# Allegro board 6089-119-RevB_08.brd (continued)
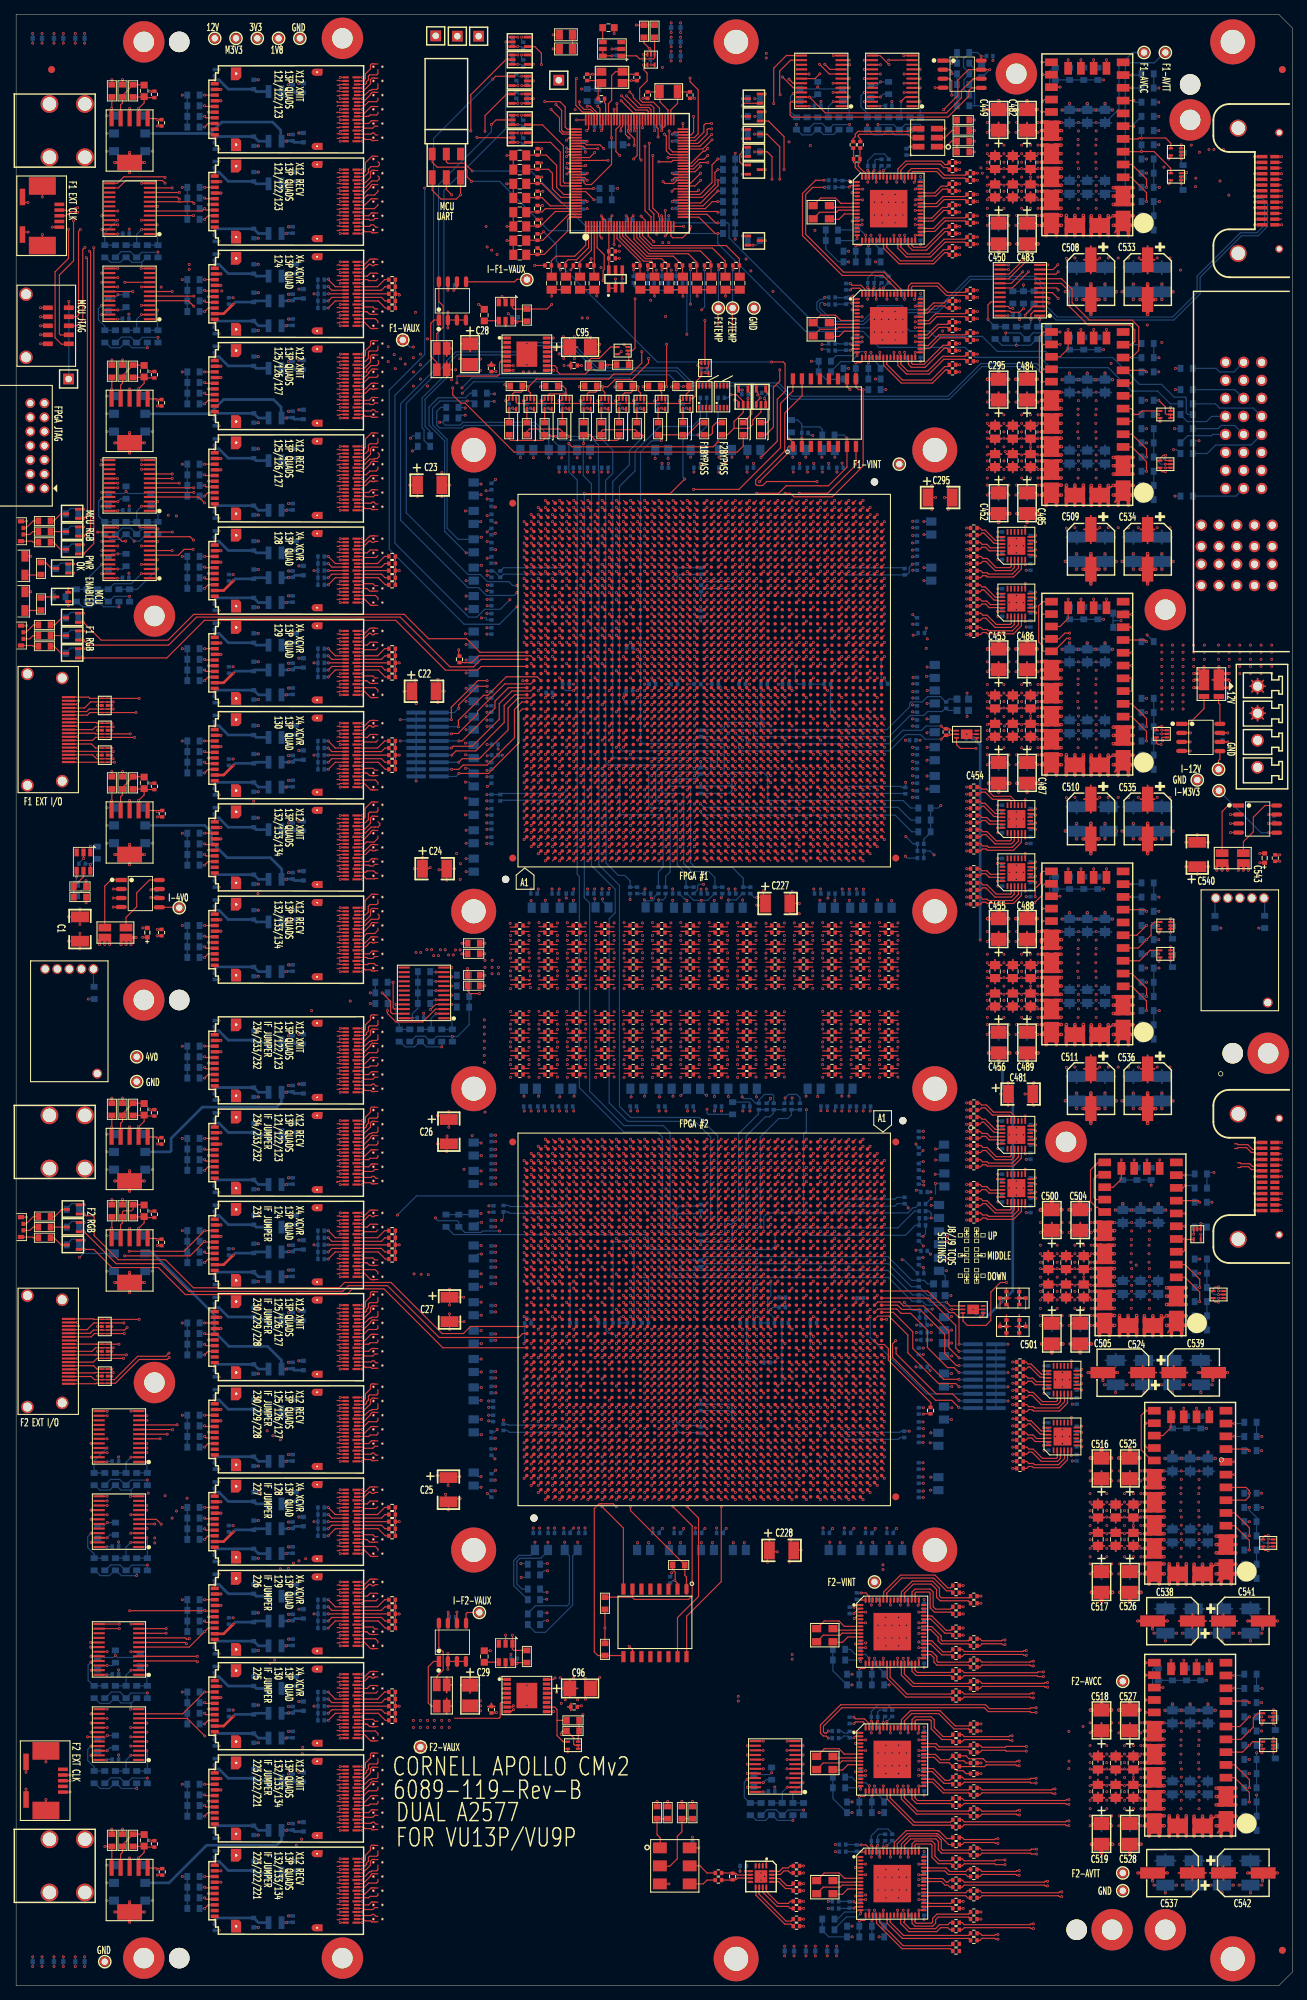
[diagram p0: board, top side]
## Nets (continued)
V_F1_INT: C22.1 C23.1 C24.1 C227.1 C295.1 C443.1 C444.1 C445.1 C446.1 C451.1 C452.1 C453.1 C454.1 C459.1 C460.1 C461.1 C462.1 C484.1 C485.1 C486.1 C487.1 C492.1 C493.1 C494.1 C495.1 C601.1 C602.1 C604.1 C605.1 C619.1 C620.1 C621.1 C622.1 C637.1 C638.1 C639.1 C640.1 C655.1 C656.1 C659.1 C660.1 C669.1 C670.1 C671.1 C672.1 C678.1 C679.1 C680.1 C681.1 C698.1 C699.1 C700.1 C701.1 C706.1 C707.1 C708.1 C709.1 C727.1 C728.1 C729.1 C781.1 C782.1 C783.1 C870.1 C871.1 C877.1 C878.1 C879.1 C880.1 C885.1 C888.1 C894.1 C895.1 C899.1 C907.1 C962.1 C964.1 C968.1 C989.1 C990.1 C991.1 C998.1 C999.1 C1001.1 C1002.1 C1004.1 C1025.1 C1026.1 C1030.1 C1031.1 C1033.1 C1034.1 C1035.1 PM18.1 R91.1 R407.1 R486.2 U75.AA15 U75.AA17 U75.AA19 U75.AA21 U75.AA23 U75.AA25 U75.AA27 U75.AA29 U75.AA31 U75.AA33 U75.AB16 U75.AB18 U75.AB20 U75.AB22 U75.AB24 U75.AB26 U75.AB28 U75.AB30 U75.AB32 U75.AC15 U75.AC17 U75.AC19 U75.AC21 U75.AC23 U75.AC25 U75.AC27 U75.AC29 U75.AC31 U75.AC33 U75.AD14 U75.AD16 U75.AD18 U75.AD20 U75.AD22 U75.AD24 U75.AD26 U75.AD28 U75.AD30 U75.AD32 U75.AE15 U75.AE17 U75.AE19 U75.AE21 U75.AE23 U75.AE25 U75.AE27 U75.AE29 U75.AE31 U75.AE33 U75.AF14 U75.AF16 U75.AF18 U75.AF20 U75.AF22 U75.AF24 U75.AF26 U75.AF28 U75.AF30 U75.AF32 U75.AG15 U75.AG17 U75.AG21 U75.AG23 U75.AG25 U75.AG27 U75.AG29 U75.AG31 U75.AG33 U75.AH14 U75.AH16 U75.AH20 U75.AH22 U75.AH24 U75.AH26 U75.AH28 U75.AH30 U75.AH32 U75.AJ15 U75.AJ17 U75.AJ21 U75.AJ23 U75.AJ25 U75.AJ27 U75.AJ29 U75.AJ31 U75.AJ33 U75.AK16 U75.AK20 U75.AK22 U75.AK24 U75.AK26 U75.AK28 U75.AK30 U75.AK32 U75.AL15 U75.AL17 U75.AL19 U75.AL21 U75.AL23 U75.AL25 U75.AL27 U75.AL29 U75.AL31 U75.AL33 U75.AM16 U75.AM18 U75.AM20 U75.AM22 U75.AM24 U75.AM26 U75.AM28 U75.AM30 U75.AM32 U75.AN15 U75.AN17 U75.AN19 U75.AN21 U75.AN23 U75.AN25 U75.AN27 U75.AN29 U75.AN31 U75.AN33 U75.AP16 U75.AP18 U75.AP20 U75.AP22 U75.AP24 U75.AP26 U75.AP28 U75.AP30 U75.AP32 U75.AR21 U75.AR23 U75.AR25 U75.AR27 U75.AR29 U75.AR31 U75.AT22 U75.AT24 U75.AT26 U75.AT28 U75.AT30 U75.AU23 U75.AU25 U75.AU27 U75.AU29 U75.U27 U75.U29 U75.U31 U75.V22 U75.V24 U75.V26 U75.V28 U75.V30 U75.W15 U75.W17 U75.W19 U75.W21 U75.W23 U75.W25 U75.W27 U75.W29 U75.W31 U75.W33 U75.Y16 U75.Y18 U75.Y20 U75.Y22 U75.Y24 U75.Y26 U75.Y28 U75.Y30 U75.Y32 U106.22 U106.23 U106.25 U106.26 U107.22 U107.23 U107.25 U107.26
V_F1_VCCAUX: C752.2 C780.2 C784.2 C789.2 C891.2 C984.2 C985.2 C996.2 PM10.1 R73.1 R88.1 U56.6 U75.AA13 U75.AA39 U75.AL13 U75.AL39 U75.AN13 U75.AN39 U75.BA13 U75.BA39 U75.BC13 U75.BC39 U75.J13 U75.J39 U75.L13 U75.L39 U75.W13 U75.W39
V_F2_AVCC: C514.1 C518.1 C522.1 C527.1 C531.1 C553.1 C560.1 C565.1 C584.1 C588.1 C595.1 C611.1 C615.1 C716.1 C725.1 C763.1 C764.1 C772.1 C773.1 C834.1 C840.1 C845.1 C856.1 C858.1 C861.1 C958.1 C960.1 C961.1 C963.1 C965.1 C969.1 C1011.1 C1012.1 C1023.1 C1024.1 C1040.1 C1048.1 PM19.1 R86.1 R464.2 U77.AB11 U77.AB41 U77.AC12 U77.AC40 U77.AD10 U77.AD42 U77.AF11 U77.AF41 U77.AH10 U77.AH42 U77.AJ12 U77.AJ40 U77.AK11 U77.AK41 U77.AM10 U77.AM42 U77.AP11 U77.AP41 U77.AR13 U77.AR39 U77.AT10 U77.AT42 U77.AU12 U77.AU40 U77.AV11 U77.AV41 U77.AW13 U77.AW39 U77.AY10 U77.AY42 U77.BB11 U77.BB41 U77.BD10 U77.BD42 U77.BE13 U77.BE39 U77.BF14 U77.BF15 U77.BF37 U77.BF38 U77.G13 U77.G17 U77.G35 U77.G39 U77.H10 U77.H42 U77.K11 U77.K41 U77.M10 U77.M42 U77.N12 U77.N40 U77.P11 U77.P41 U77.R13 U77.R39 U77.T10 U77.T42 U77.U12 U77.U40 U77.V11 U77.V41 U77.Y10 U77.Y42 U118.22 U118.23
V_F2_AVTT: C515.1 C519.1 C523.1 C528.1 C532.1 C554.1 C561.1 C566.1 C585.1 C589.1 C596.1 C612.1 C616.1 C717.1 C726.1 C761.1 C762.1 C774.1 C775.1 C804.1 C823.1 C824.1 C825.1 C833.1 C836.1 C945.1 C947.1 C949.1 C950.1 C952.1 C957.1 C988.1 C1009.1 C1010.1 C1021.1 C1039.1 C1049.1 PM20.1 R85.1 R312.1 R313.1 R428.1 R429.1 R430.1 R431.1 R467.2 R469.1 R470.1 U77.A8 U77.A12 U77.A40 U77.A44 U77.AA8 U77.AA44 U77.AB6 U77.AB13 U77.AB39 U77.AB46 U77.AC9 U77.AC43 U77.AD7 U77.AD45 U77.AE8 U77.AE44 U77.AF6 U77.AF46 U77.AG9 U77.AG43 U77.AH7 U77.AH45 U77.AJ8 U77.AJ44 U77.AK6 U77.AK13 U77.AK39 U77.AK46 U77.AL9 U77.AL43 U77.AM7 U77.AM45 U77.AN8 U77.AN44 U77.AP6 U77.AP46 U77.AR9 U77.AR43 U77.AT7 U77.AT45 U77.AU8 U77.AU44 U77.AV6 U77.AV46 U77.AW9 U77.AW43 U77.AY7 U77.AY45 U77.B11 U77.B15 U77.B37 U77.B41 U77.BA8 U77.BA44 U77.BB6 U77.BB46 U77.BC9 U77.BC43 U77.BD7 U77.BD45 U77.BE8 U77.BE11 U77.BE41 U77.BE44 U77.BF11 U77.BF41 U77.BG9 U77.BG13 U77.BG39 U77.BG43 U77.BH10 U77.BH14 U77.BH38 U77.BH42 U77.BJ8 U77.BJ12 U77.BJ40 U77.BJ44 U77.BK11 U77.BK15 U77.BK37 U77.BK41 U77.BL9 U77.BL13 U77.BL39 U77.BL43 U77.C9 U77.C13 U77.C39 U77.C43 U77.D10 U77.D14 U77.D38 U77.D42 U77.E8 U77.E13 U77.E40 U77.E44 U77.F11 U77.F15 U77.F37 U77.F41 U77.G9 U77.G11 U77.G41 U77.G43 U77.H7 U77.H45 U77.J8 U77.J44 U77.K6 U77.K46 U77.L9 U77.L43 U77.M7 U77.M45 U77.N8 U77.N44 U77.P6 U77.P46 U77.R9 U77.R43 U77.T7 U77.T45 U77.U8 U77.U44 U77.V6 U77.V46 U77.W9 U77.W43 U77.Y7 U77.Y45 U118.25 U118.26
V_F2_FF1_3V8: C5.2 C12.1 R30.1 SW4.1 U20.2(VOUT)
V_F2_FF1_XMIT: C1064.1 C1105.1 L30.1 SW4.2
V_F2_FF2_3V8: C6.2 C13.1 R31.1 SW5.1 U21.2(VOUT)
V_F2_FF2_XMIT: C1067.1 C1110.1 L37.1 SW5.2
V_F2_FF3_3V8: C7.2 C14.1 R32.1 SW6.1 U22.2(VOUT)
V_F2_FF3_XMIT: C1072.1 C1119.1 L50.1 SW6.2
V_F2_INT: C25.1 C26.1 C27.1 C228.1 C481.1 C498.1 C499.1 C500.1 C501.1 C502.1 C503.1 C504.1 C505.1 C506.1 C507.1 C512.1 C513.1 C516.1 C517.1 C520.1 C521.1 C525.1 C526.1 C529.1 C530.1 C551.1 C552.1 C558.1 C559.1 C563.1 C564.1 C573.1 C574.1 C576.1 C577.1 C582.1 C583.1 C586.1 C587.1 C590.1 C591.1 C593.1 C594.1 C609.1 C610.1 C613.1 C614.1 C625.1 C626.1 C627.1 C628.1 C643.1 C644.1 C645.1 C646.1 C647.1 C648.1 C718.1 C719.1 C720.1 C722.1 C724.1 C734.1 C737.1 C766.1 C769.1 C771.1 C876.1 C881.1 C883.1 C884.1 C886.1 C893.1 C896.1 C897.1 C900.1 C908.1 C912.1 C914.1 C917.1 C921.1 C922.1 C925.1 C986.1 C1016.1 C1017.1 C1018.1 C1022.1 C1042.1 C1043.1 C1044.1 C1045.1 C1046.1 PM17.1 R87.1 R396.1 R462.2 U77.AA15 U77.AA17 U77.AA19 U77.AA21 U77.AA23 U77.AA25 U77.AA27 U77.AA29 U77.AA31 U77.AA33 U77.AB16 U77.AB18 U77.AB20 U77.AB22 U77.AB24 U77.AB26 U77.AB28 U77.AB30 U77.AB32 U77.AC15 U77.AC17 U77.AC19 U77.AC21 U77.AC23 U77.AC25 U77.AC27 U77.AC29 U77.AC31 U77.AC33 U77.AD14 U77.AD16 U77.AD18 U77.AD20 U77.AD22 U77.AD24 U77.AD26 U77.AD28 U77.AD30 U77.AD32 U77.AE15 U77.AE17 U77.AE19 U77.AE21 U77.AE23 U77.AE25 U77.AE27 U77.AE29 U77.AE31 U77.AE33 U77.AF14 U77.AF16 U77.AF18 U77.AF20 U77.AF22 U77.AF24 U77.AF26 U77.AF28 U77.AF30 U77.AF32 U77.AG15 U77.AG17 U77.AG21 U77.AG23 U77.AG25 U77.AG27 U77.AG29 U77.AG31 U77.AG33 U77.AH14 U77.AH16 U77.AH20 U77.AH22 U77.AH24 U77.AH26 U77.AH28 U77.AH30 U77.AH32 U77.AJ15 U77.AJ17 U77.AJ21 U77.AJ23 U77.AJ25 U77.AJ27 U77.AJ29 U77.AJ31 U77.AJ33 U77.AK16 U77.AK20 U77.AK22 U77.AK24 U77.AK26 U77.AK28 U77.AK30 U77.AK32 U77.AL15 U77.AL17 U77.AL19 U77.AL21 U77.AL23 U77.AL25 U77.AL27 U77.AL29 U77.AL31 U77.AL33 U77.AM16 U77.AM18 U77.AM20 U77.AM22 U77.AM24 U77.AM26 U77.AM28 U77.AM30 U77.AM32 U77.AN15 U77.AN17 U77.AN19 U77.AN21 U77.AN23 U77.AN25 U77.AN27 U77.AN29 U77.AN31 U77.AN33 U77.AP16 U77.AP18 U77.AP20 U77.AP22 U77.AP24 U77.AP26 U77.AP28 U77.AP30 U77.AP32 U77.AR21 U77.AR23 U77.AR25 U77.AR27 U77.AR29 U77.AR31 U77.AT22 U77.AT24 U77.AT26 U77.AT28 U77.AT30 U77.AU23 U77.AU25 U77.AU27 U77.AU29 U77.U27 U77.U29 U77.U31 U77.V22 U77.V24 U77.V26 U77.V28 U77.V30 U77.W15 U77.W17 U77.W19 U77.W21 U77.W23 U77.W25 U77.W27 U77.W29 U77.W31 U77.W33 U77.Y16 U77.Y18 U77.Y20 U77.Y22 U77.Y24 U77.Y26 U77.Y28 U77.Y30 U77.Y32 U109.22 U109.23 U109.25 U109.26 U117.22 U117.23 U117.25 U117.26
V_F2_VCCAUX: C735.2 C736.2 C738.2 C739.2 C1014.2 C1015.2 C1019.2 C1020.2 PM11.1 R74.1 R104.1 U57.6 U77.AA13 U77.AA39 U77.AL13 U77.AL39 U77.AN13 U77.AN39 U77.BA13 U77.BA39 U77.BC13 U77.BC39 U77.J13 U77.J39 U77.L13 U77.L39 U77.W13 U77.W39
V_M3V3: C545.1 C548.1 C675.1 C712.1 C713.1 C714.1 C805.1 C859.1 C867.1 C868.1 C869.1 C874.1 C901.1 C902.1 C903.1 C904.1 C910.1 C915.1 C920.1 C924.1 C927.1 C928.1 C931.1 C932.1 C937.1 C942.1 C943.1 C944.1 C966.1 C967.1 C971.1 C972.1 C973.1 C974.1 C977.1 C978.1 C1050.1 C1051.1 C1217.1 C1218.1 C1219.1 C1220.1 C1221.1 C1222.1 C1223.1 C1224.1 C1225.1 C1226.1 C1232.1 C1233.1 D1.3 D5.2 J1.2 J4.1 J5.18 J6.18 J7.3 PM6.1 R81.1 R82.2 R84.2 R95.2 R105.1 R117.2 R120.2 R122.2 R123.1 R128.1 R146.1 R150.2 R151.2 R154.1 R159.1 R160.2 R161.2 R166.1 R171.1 R173.2 R174.2 R177.1 R182.1 R203.2 R204.2 R209.1 R214.1 R215.2 R216.2 R220.1 R225.1 R227.1 R232.1 R233.2 R234.2 R239.1 R244.1 R247.2 R248.2 R267.2 R269.2 R282.2 R283.2 R285.2 R286.2 R288.1 R289.2 R291.2 R293.2 R304.2 R314.2 R315.2 R318.2 R332.2 R345.2 R357.2 R366.2 R373.2 R376.2 R378.2 R379.2 R390.2 R392.2 R398.2 R406.2 R413.2 R414.2 R415.2 R416.2 R417.2 R418.2 R419.2 R420.2 R443.1 R454.2 R455.2 R457.2 R458.2 R495.2 R496.2 R538.2 R539.2 R540.2 R541.2 R542.2 R543.2 R544.2 R545.2 R546.2 R547.2 R548.2 R549.2 R550.2 R551.2 R552.2 R553.2 R554.2 R555.2 R556.2 R557.2 R558.2 R559.2 R560.2 R561.2 R562.2 R563.2 R564.2 R565.2 R566.2 R567.2 R568.2 R569.2 R570.2 R571.2 R572.2 R573.2 R574.2 R575.2 R576.2 R577.2 R578.2 R579.2 R580.2 R581.2 R582.2 R583.2 R584.2 R585.2 R586.2 R587.2 R588.2 R589.2 R590.2 R591.2 R592.2 R593.2 R594.2 R595.2 R596.2 R597.2 R598.2 R599.2 R600.2 R601.2 R602.2 R603.2 R604.2 R605.2 R606.2 R607.2 R608.2 R609.2 R610.2 R611.2 R612.2 R613.2 R614.2 R615.2 R616.2 R617.2 R618.2 R619.2 R620.2 R621.2 R625.2 R626.2 R627.2 R628.2 R629.2 R630.2 R631.2 R632.2 R637.2 R639.2 R641.2 R643.2 R644.2 R645.2 R646.2 R647.2 R649.2 R650.2 R651.2 R653.2 R655.2 R657.2 R659.2 R660.2 R661.2 R662.2 R666.2 R667.2 R668.2 R669.2 R671.2 R672.2 R673.2 R674.2 R680.2 U2.6(VDD) U9.24(VCC) U10.24(VCC) U11.24(VCC) U12.24(VCC) U14.24(VCC) U15.24(VCC) U17.24(VCC) U18.24(VCC) U23.6(VCC) U45.6(VCC) U46.6(VCC) U47.6(VDD) U48.6(VDD) U50.5(VCCB) U51.5(VCCB) U52.1 U53.1 U54.5(VCCB) U55.5(VCCB) U61.5 U64.5 U64.6(VDD) U65.4 U66.5 U68.7 U68.8 U68.16 U68.26 U68.28 U68.39 U68.47 U68.63 U68.68 U68.69 U68.79 U68.90 U68.101 U68.113 U68.122 U70.5 U80.5(VCCB) U81.5(VCCB) U83.24(VCC) U84.24(VCC) U88.24(VCC) U93.8 U94.4 U95.4 U102.24(VCC) U110.5 U111.5 U112.5 U113.5 U114.5 U115.5 U116.5 U119.5 U120.6(VCC) U121.5 U123.6(VCC) U124.5 U125.5 U126.5
XOSC0: C156.1 U68.66 X2.2
XOSC1: C136.1 U68.67 X2.1
N7269408: R527.2 U39.B12
N7269410: R526.2 U39.B11
N7269412: R525.2 U39.B10
N7269414: R524.2 U39.B9
N7269416: R523.2 U39.B8
N7269418: R62.2 U39.A12
N7269420: R61.2 U39.A11
N7269422: R60.2 U39.A10
N7269424: R59.2 U39.A9
N7269426: R58.2 U39.A8
N7416787: R424.2 U75.AB40
N7431932: R407.2 R410.2 U75.AC13
N7432046: R441.2 U75.P14
N7432084: R446.2 R449.2 U75.M14
N7432164: Q15.3(S) R438.1 U75.V14
N7432236: R433.2 R434.2 U75.Y14
N7432312: R421.2 R423.2 U75.AB14
N7433493: R367.2 U75.AM14 U85.7
N7433497: R383.2 U75.AP14 U85.1
N7433501: R329.2 U75.AT14 U85.9
N7433549: U75.AY14 U85.15
N7433553: U75.AV14 U85.8
N7433601: U75.AD13 U85.16
N7434099: Q14.3(S) R297.2 U75.AK14
N7503296: R296.2 U75.T14
N7505902: R396.2 R399.2 U77.AC13
N7506206: R113.2 U72.7 U77.AM14
N7506210: R126.2 U72.1 U77.AP14
N7506214: R114.2 U72.9 U77.AT14
N7506288: U72.15 U77.AY14
N7506296: R301.2 U77.P14
N7506304: U72.8 U77.AV14
N7506346: R302.2 R303.2 U77.M14
N7506428: U72.16 U77.AD13
N7506492: Q16.3(S) R300.1 U77.V14
N7506600: R380.2 R384.2 U77.Y14
N7506822: R387.2 R391.2 U77.AB14
N7507208: Q17.3(S) R412.2 U77.AK14
N7550815: R483.2 U77.T14
N7774117: R115.1 U67.4(Y)
N7774145: U49.1 U58.1 U59.1 U60.1 U62.1 U63.1 U67.1 U69.1 U73.1 U74.1 U78.4(Y)
N7774339: R119.1 U69.4(Y)
N7775449: R108.1 U63.4(Y)
N7775531: R103.1 U62.4(Y)
N7781104: R83.1 U58.4(Y)
N7781202: R80.1 U49.4(Y)
N7781480: R97.1 U60.4(Y)
N7781570: R93.1 U59.4(Y)
N7785178: R124.1 U73.4(Y)
N7785276: R129.1 U74.4(Y)
N7873135: C882.2 R134.2 U80.2 U81.2
N7875048: R137.1 U80.4
N7875062: R138.1 U81.4
N7922601: R263.1 U107.16 U107.19(VTRIM_2)
N7927125: R255.1 U107.15
N7927299: R251.1 U107.14
N7927470: R226.1 U107.9
N7930999: R217.1 U106.9
N7931071: R250.1 U106.14
N7931075: R262.1 U106.16 U106.19(VTRIM_2)
N7931121: R254.1 U106.15
N7932656: U106.7 U107.7
N7932668: U106.8 U107.8
N8124132: R235.1 U108.9
N8124142: R252.1 U108.14
N8124144: R264.1 U108.16
N8124154: R256.1 U108.15
N8133874: R266.1 U108.19(VTRIM_2)
N9069787: R643.1 U17.18 U18.22
N9069799: R661.1 U17.17 U18.23
N9079797: R639.1 U14.20 U15.22
N9079819: R659.1 U14.19 U15.23
N9085638: C154.1 R125.2 U68.14
N9085714: C155.1 R127.2 U68.15
N9085979: C135.1 R118.2 U68.12
N9086055: C137.1 R121.2 U68.13
N9089056: C41.1 R92.2 U68.128
N9089132: C40.1 R91.2 U68.127
N9089208: C39.1 R90.2 U68.126
N9089284: C38.1 R89.2 U68.125
N9089360: C37.1 R88.2 U68.124
N9089436: C36.1 R87.2 U68.123
N9090009: C35.1 R86.2 U68.121
N9090085: C34.1 R85.2 U68.120
N9090161: C98.1 R104.2 U68.4
N9090237: C94.1 R102.2 U68.3
N9090313: C75.1 R96.2 U68.2
N9090389: C74.1 R94.2 U68.1
N9091494: R315.1 U84.18 U88.22
N9091498: R332.1 U84.17 U88.23
N9091502: R392.1 U83.22 U84.20
N9091508: R406.1 U83.23 U84.19
N9281788: R445.2 U77.AR20
N9328942: R305.1 R306.2 U75.AH19
N9329074: R307.2 U75.AJ18
N9329322: C715.1 C890.1 L1.2 U75.AG19
N9329407: C715.2 C890.2 L2.2 U75.AG18 U75.AH18 U75.AJ19
N9543401: R286.1 R287.2 U102.21
N9543477: R282.1 R284.2 U102.2
N9543553: R267.1 R268.2 U102.1
N9544090: R376.1 R381.2 U84.21
N9544166: R366.1 R374.2 U84.2
N9544242: R345.1 R359.2 U84.1
N9547158: R378.1 R382.2 U83.3
N9547234: R390.1 R393.2 U83.2
N9547310: R398.1 R408.2 U83.21
N9547925: R314.1 R316.2 U88.3
N9548001: R304.1 R309.2 U88.2
N9548077: R318.1 R335.2 U88.21
N9548614: R493.1 R494.2 U44.21
N9548690: R485.1 R492.2 U44.2
N9548766: R482.1 R484.2 U44.1
N9549273: R649.1 R663.2 U14.21
N9549349: R630.1 R638.2 U14.2
N9549425: R618.1 R622.2 U14.1
N9549980: R651.1 R665.2 U17.21
N9550056: R632.1 R642.2 U17.2
N9550132: R620.1 R624.2 U17.1
N9550687: R637.1 R648.2 U18.3
N9550763: R662.1 R670.2 U18.2
N9550839: R680.1 R681.2 U18.21
N9551394: R619.1 R623.2 U15.3
N9551470: R631.1 R640.2 U15.2
N9551546: R650.1 R664.2 U15.21
N9927204: R122.1 U64.1 U70.1
N12333393: R236.1 U108.7
N13337343: C173.1 R130.2 U68.18
N13337502: C174.1 R132.2 U68.19
N13337662: C193.1 R133.2 U68.20
N13337823: C194.1 R136.2 U68.21
N13727369: C115.1 U64.4
N13828637: Q5.3(S) R5.1
N13828747: Q4.3(S) R4.1
N13828857: Q3.3(S) R3.1
N13829314: Q8.3(S) R8.1
N13829424: Q7.3(S) R7.1
N13829534: Q6.3(S) R6.1
N13830015: Q11.3(S) R11.1
N13830125: Q10.3(S) R10.1
N13830235: Q9.3(S) R9.1
N13855428: D1.4(RED) R5.2
N13855430: D1.2 R4.2
N13855432: D1.1 R3.2
N13855604: D2.4(RED) R8.2
N13855606: D2.2 R7.2
N13855608: D2.1 R6.2
N13855686: D3.4(RED) R11.2
N13855688: D3.2 R10.2
N13855690: D3.1 R9.2
N13910342: R230.1 U107.3
N13910346: R229.1 U107.4
N13914390: R223.1 U106.3
N13914416: R222.1 U106.4
N13914806: R242.1 U108.3
N13914832: R241.1 U108.4
N14558092: P1.4 R191.1
N14558100: P1.5 R187.1
N14558108: P1.20 R190.1
N14558116: P1.21 R188.1
N15819212: C767.1 C892.1 L4.2 U77.AG19
N15819268: C767.2 C892.2 L3.2 U77.AG18 U77.AH18 U77.AJ19
N15819368: R298.1 R299.2 U77.AH19
N15819380: R308.2 U77.AJ18
N15937677: C296.1 U75.AK19 U94.1
N15937681: C296.2 U75.AK18 U94.2
N15955233: R311.2 U75.BE42
N15956486: R471.2 U75.G42
N15957727: R425.2 U75.AK40
N15962540: R427.2 U75.AK12
N15962838: R472.2 U75.G10
N15963136: R310.2 U75.BE10
N15963442: R426.2 U75.AB12
N15987882: R212.1 U105.3
N15988054: R211.1 U105.4
N15988666: R206.1 U105.7
N15988764: R205.1 U105.9
N15988914: R249.1 U105.14
N15988918: R261.1 U105.16
N15989022: R253.1 U105.15
N15989026: R265.1 U105.19(VTRIM_2)
N16010092: R431.2 U77.AK40
N16010100: R428.2 U77.AK12
N16011178: R313.2 U77.G42
N16011186: R312.2 U77.G10
N16012206: R470.2 U77.BE42
N16012214: R469.2 U77.BE10
N16013234: R430.2 U77.AB40
N16013242: R429.2 U77.AB12
N16018066: C28.1 C32.1 R73.2 U47.5 U56.3 U56.4 U56.5(VOUT#5)
N16073437: R98.2 R99.1
N16073441: R99.2 R118.1 R447.1
N16073676: R121.1 R443.2 R444.1
N16253461: R125.1 R439.2 R440.1
N16486817: R169.1 U118.3
N16486989: R168.1 U118.4
N16487613: R163.1 U118.7
N16487671: R162.1 U118.9
N16487743: R184.1 U118.14
N16487747: R200.1 U118.16
N16487811: R194.1 U118.15
N16487815: R201.1 U118.19(VTRIM_2)
N16487961: C29.1 C33.1 R74.2 U48.5 U57.3 U57.4 U57.5(VOUT#5)
N16510239: R157.1 U117.3
N16510407: R156.1 U117.4
N16510857: U109.8 U117.8
N16510907: U109.7 U117.7
N16510987: R152.1 U117.9
N16511071: R183.1 U117.14
N16511075: R199.1 U117.16 U117.19(VTRIM_2)
N16511121: R193.1 U117.15
N16512069: R180.1 U109.3
N16512233: R179.1 U109.4
N16512753: R175.1 U109.9
N16512825: R202.1 U109.14
N16512829: R246.1 U109.16 U109.19(VTRIM_2)
N16512881: R245.1 U109.15
N16811923: R522.2 U36.B12
N16811938: R521.2 U36.B11
N16811953: R520.2 U36.B10
N16811968: R519.2 U36.B9
N16811983: R518.2 U36.B8
N16811998: R57.2 U36.A12
N16812013: R56.2 U36.A11
N16812028: R55.2 U36.A10
N16812043: R54.2 U36.A9
N16812058: R53.2 U36.A8
N16814977: R532.2 U40.B12
N16814992: R531.2 U40.B11
N16815007: R530.2 U40.B10
N16815022: R529.2 U40.B9
N16815037: R528.2 U40.B8
N16815052: R67.2 U40.A12
N16815067: R66.2 U40.A11
N16815082: R65.2 U40.A10
N16815097: R64.2 U40.A9
N16815112: R63.2 U40.A8
N16844266: R537.2 U41.B12
N16844281: R536.2 U41.B11
N16844296: R535.2 U41.B10
N16844311: R534.2 U41.B9
N16844326: R533.2 U41.B8
N16844341: R72.2 U41.A12
N16844356: R71.2 U41.A11
N16844371: R70.2 U41.A10
N16844386: R69.2 U41.A9
N16844401: R68.2 U41.A8
N16904665: R666.1 R676.2 U9.21
N16904735: R644.1 R652.2 U9.2
N16904825: R625.1 R633.2 U9.1
N16904855: R671.1 U9.19 U10.23
N16904857: R653.1 U9.20 U10.22
N16905003: R626.1 R634.2 U10.3
N16905053: R645.1 R654.2 U10.2
N16905126: R667.1 R677.2 U10.21
N16905335: R668.1 R678.2 U11.21
N16905409: R646.1 R656.2 U11.2
N16905483: R627.1 R635.2 U11.1
N16905487: R673.1 U11.17 U12.23
N16905489: R657.1 U11.18 U12.22
N16905629: R628.1 R636.2 U12.3
N16905702: R647.1 R658.2 U12.2
N16905747: R669.1 R679.2 U12.21
N16967427: C1125.1 C1173.1 L9.2 U26.1
N16967445: C1127.1 C1175.1 L11.2 U26.10
N16967472: C1126.1 C1174.1 L10.2 U26.9
N16967493: R502.2 U26.B12
N16967496: R501.2 U26.B11
N16967499: R500.2 U26.B10
N16967502: R499.2 U26.B9
N16967505: R498.2 U26.B8
N16967508: R37.2 U26.A12
N16967511: R36.2 U26.A11
N16967514: R35.2 U26.A10
N16967517: R34.2 U26.A9
N16967520: R33.2 U26.A8
N16968645: R507.2 U29.B12
N16968646: R506.2 U29.B11
N16968647: R505.2 U29.B10
N16968648: R504.2 U29.B9
N16968649: R503.2 U29.B8
N16968650: R42.2 U29.A12
N16968651: R41.2 U29.A11
N16968652: R40.2 U29.A10
N16968653: R39.2 U29.A9
N16968654: R38.2 U29.A8
N16969791: R512.2 U30.B12
N16969794: R511.2 U30.B11
N16969797: R510.2 U30.B10
N16969800: R509.2 U30.B9
N16969803: R508.2 U30.B8
N16969806: R47.2 U30.A12
N16969809: R46.2 U30.A11
N16969812: R45.2 U30.A10
N16969815: R44.2 U30.A9
N16969818: R43.2 U30.A8
N16970905: R517.2 U31.B12
N16970908: R516.2 U31.B11
N16970911: R515.2 U31.B10
N16970914: R514.2 U31.B9
N16970917: R513.2 U31.B8
N16970920: R52.2 U31.A12
N16970923: R51.2 U31.A11
N16970926: R50.2 U31.A10
N16970929: R49.2 U31.A9
N16970932: R48.2 U31.A8
N17281747: C97.1 R107.1 X1.3
N17534091: R397.2 U75.AR20
N17747532: P1.9 R192.1
N17747535: P1.12 R189.1
N17747538: P1.14 R186.1
N17747541: P1.16 R185.1
N17808152: C31.1 U48.4
N17810200: C30.1 U47.4
N17817320: R145.S2 U120.8
N17817333: R145.S1 U120.1
N17820026: R73.S2 U45.8
N17820031: R73.S1 U45.1
N17821880: R74.S2 U46.8
N17821885: R74.S1 U46.1
N17913787: Q1.3(S) R1.1
N17913791: D4.1(CATHODE) R1.2
N17914174: Q2.3(S) R2.1
N17914178: D5.1(CATHODE) R2.2
N18303244: C1121.1 C1169.1 L5.2 U24.1
N18303338: C1122.1 C1170.1 L6.2 U24.10
N18307677: C1123.1 C1171.1 L7.2 U25.1
N18307758: C1124.1 C1172.1 L8.2 U25.10
N18389223: C543.1 C544.1 R146.2 U122.4(VOUT)
N18389242: R149.2 U122.5
N18389247: R172.2 U122.1
N18389249: R146.S2 U123.8
N18389250: R146.S1 U123.1
N18444707: R20.S2 U23.8
N18444732: R20.S1 U23.1
N18444836: C8.1 C17.1 R13.2 R20.2 U1.4(VOUT)
N18444893: R675.2 U1.5
N18451315: R127.1 R435.2 R436.1
N18454186: R12.2 R13.1 U2.5
N18676964: C4.1 R23.1 R29.2 U19.4
N18680159: C3.1 R22.1 R28.2 U16.4
N18680729: C2.1 R21.1 R27.2 U13.4
N18682561: C5.1 R24.1 R30.2 U20.4
N18682763: C6.1 R25.1 R31.2 U21.4
N18682965: C7.1 R26.1 R32.2 U22.4
N18723259: U89.7 X5.2
N18723260: U89.10 X5.4
N18887373: R339.2 R340.1 U89.17
N18887411: R319.2 R320.1 U89.19
N18922453: U90.7 X6.2
N18922454: U90.10 X6.4
N18922539: R341.2 R342.1 U90.17
N18922545: R321.2 R322.1 U90.19
N18923791: U91.7 X7.2
N18923792: U91.10 X7.4
N18923877: R343.2 R344.1 U91.17
N18923883: R323.2 R324.1 U91.19
N19118039: J4.2 TP1.1
N19215471: C768.1 U77.AK19 U95.1
N19215496: C768.2 U77.AK18 U95.2
N19421483: C1128.1 C1176.1 L12.2 U27.1
N19421577: C1129.1 C1177.1 L13.2 U27.10
N19422195: C1141.1 C1189.1 L25.2 U32.1
N19422289: C1142.1 C1190.1 L26.2 U32.10
N19422896: C1145.1 C1193.1 L29.2 U34.1
N19422990: C1146.1 C1194.1 L30.2 U34.10
N19423601: C1152.1 C1200.1 L36.2 U37.1
N19423695: C1153.1 C1201.1 L37.2 U37.10
N19424304: C1165.1 C1213.1 L49.2 U42.1
N19424398: C1166.1 C1214.1 L50.2 U42.10
N19424972: C1130.1 C1178.1 L14.2 U28.1
N19425053: C1131.1 C1179.1 L15.2 U28.10
N19425579: C1143.1 C1191.1 L27.2 U33.1
N19425660: C1144.1 C1192.1 L28.2 U33.10
N19426192: C1147.1 C1195.1 L31.2 U35.1
N19426273: C1148.1 C1196.1 L32.2 U35.10
N19426822: C1154.1 C1202.1 L38.2 U38.1
N19426903: C1155.1 C1203.1 L39.2 U38.10
N19427434: C1167.1 C1215.1 L51.2 U43.1
N19427515: C1168.1 C1216.1 L52.2 U43.10
N19432697: C1132.1 C1180.1 L16.2 U29.1
N19432778: C1134.1 C1182.1 L18.2 U29.10
N19432841: C1133.1 C1181.1 L17.2 U29.9
N19433423: C1135.1 C1183.1 L19.2 U30.1
N19433504: C1137.1 C1185.1 L21.2 U30.10
N19433567: C1136.1 C1184.1 L20.2 U30.9
N19434150: C1138.1 C1186.1 L22.2 U31.1
N19434231: C1140.1 C1188.1 L24.2 U31.10
N19434294: C1139.1 C1187.1 L23.2 U31.9
N19434874: C1149.1 C1197.1 L33.2 U36.1
N19434955: C1151.1 C1199.1 L35.2 U36.10
N19435018: C1150.1 C1198.1 L34.2 U36.9
N19435600: C1156.1 C1204.1 L40.2 U39.1
N19435681: C1158.1 C1206.1 L42.2 U39.10
N19435744: C1157.1 C1205.1 L41.2 U39.9
N19436328: C1159.1 C1207.1 L43.2 U40.1
N19436409: C1161.1 C1209.1 L45.2 U40.10
N19436472: C1160.1 C1208.1 L44.2 U40.9
N19437051: C1162.1 C1210.1 L46.2 U41.1
N19437132: C1164.1 C1212.1 L48.2 U41.10
N19437195: C1163.1 C1211.1 L47.2 U41.9
N19810018: R456.2 U77.AV28
N19811960: R386.2 U77.T35
N19812776: R377.2 U75.AV28
N19814828: R442.2 U75.T35
N19816939: R317.2 U75.BL29
N19817532: R468.2 U77.BL29
N19817837: R411.2 U75.AR15(VREF_66)
N19817988: R448.2 U77.AR15(VREF_66)
N19818851: R394.2 U77.U21
N19818986: R400.2 U77.V21
N19819505: R437.2 U75.U21
N19819631: R432.2 U75.V21
N19850586: R385.2 U75.AT15
N19850732: R453.2 U77.AT15
N20924230: R111.2 R112.2 U71.1
N20924377: R109.2 R110.2 U71.2
N20926107: U86.7 X3.2
N20926109: U86.10 X3.4
N20926735: U87.7 X4.2
N20926756: U87.10 X4.4
N20932170: R346.2 R347.1 U86.17
N20932208: R325.2 R326.1 U86.19
N20973779: R348.2 R349.1 U87.17
N20973817: R327.2 R328.1 U87.19
N21082310: R143.2 R144.2 U92.1
N21082363: R141.2 R142.2 U92.2
N21248818: R75.1 U75.B29
N21249011: R140.1 U77.B29
N21280069: R370.2 U75.BD21
N21280113: R460.2 U75.L30
N21280155: R422.2 U75.W32
N21280269: R459.2 U77.BD21
N21280313: R375.2 U77.L30
N21280357: R409.2 U77.W32
N21339021: R388.2 U77.U24
N21339091: R389.2 U77.U25
N21339158: R451.2 U75.U25
N21339226: R452.2 U75.U24
N21339296: R461.2 U75.D24
N21339365: R450.2 U75.T31
N21339436: R395.2 U77.T31
N21339504: R336.2 U77.D24
N21429495: R293.1 R294.2 U93.3
N21429547: R291.1 R292.2 U93.2
N21429593: R289.1 R290.2 U93.1
N21827883: TP4.1 U68.110
N21827890: TP5.1 U68.109
N184541773: C1229.2 U2.4

Pads without a net: BR1 1 2 3 4; BR2 1 2 3 4; BR3 1 2 3 4; BR4 1 2; BR5 1 2; BR6 1 2; BR7 1 2; BR8 1 2; BR9 1 2; C347 2; C348 2; H1 1; H2 1; H3 1; H4 1; H5 1; H6 1; H7 1; H8 1; J1 12 14; J2 1 4; J3 1 4; J7 6; NOREF#7 1; NOREF#9 1; NOREF#11 1; NOREF#12 1; NOREF#13 1; NOREF#14 1; P1 24; P2 G1 G2 G3 G4; P3 15 16 17 18 G1 G2 G3 G4; SP1 1 2; SP2 1 2; U1 6; U2 3; U9 15 16 17 18; U10 1 10 11 19 20; U11 15 16 19 20; U12 1 20; U14 15 16 17 18; U15 1 10 11 19 20; U17 15 16 19 20; U18 1 20; U24 9 G1 G2; U25 9 G1 G2; U26 G1 G2; U27 9 G1 G2; U28 9 G1 G2; U29 G1 G2; U30 G1 G2; U31 G1 G2; U32 9 G1 G2; U33 9 G1 G2; U34 9 G1 G2; U35 9 G1 G2; U36 G1 G2; U37 9 G1 G2; U38 9 G1 G2; U39 G1 G2; U40 G1 G2; U41 G1 G2; U42 9 G1 G2; U43 9 G1 G2; U44 13 14 15 16 17 18 19 20; U47 3; U48 3; U56 2 11 15; U57 2 11 15; U64 3; U65 3 5; U68 65; U72 3 4 5 6 11 12 13 14; U75 A27 AC10 AC11 AC41 AC42 AE10 AE11 AE41 AE42 AG10 AG11 AG41 AG42 AJ10 AJ11 AJ41 AJ42 AN10 AN11 AN41 AN42 AP12 AP13 AP39 AP40 AR10 AR11 AR18 AR32 AR33 AR34 AR35 AR36 AR37 AT12 AT13 AT18 AT19 AT20 AT32 AT33 AT34 AT35 AT37 AU10 AU11 AU15 AU17 AU19 AU20 AU21 AU22 AU32 AU34 AU35 AU36 AU37 AU41 AU42 AV3 AV4 AV8 AV9 AV12 AV13 AV16 AV17 AV18 AV19 AV21 AV22 AV23 AV24 AV26 AV27 AV32 AV33 AV34 AV36 AV37 AV39 AV40 AW1 AW2 AW6 AW7 AW15 AW16 AW18 AW19 AW20 AW21 AW23 AW24 AW25 AW26 AW28 AW30 AW33 AW34 AW35 AW36 AY3 AY4 AY8 AY9 AY15 AY16 AY17 AY18 AY20 AY21 AY22 AY23 AY25 AY26 AY27 AY28 AY32 AY33 AY35 AY36 AY37 B22 B27 B30 BA1 BA2 BA6 BA7 BA10 BA11 BA15 BA17 BA18 BA19 BA20 BA22 BA23 BA24 BA25 BA27 BA32 BA33 BA34 BA35 BA37 BA41 BA42 BB12 BB13 BB15 BB17 BB19 BB20 BB21 BB22 BB24 BB25 BB26 BB27 BB29 BB30 BB31 BB32 BB34 BB35 BB36 BB37 BB39 BB40 BC17 BC18 BC19 BC21 BC22 BC23 BC24 BC26 BC27 BC28 BC29 BC31 BC32 BC33 BC34 BC36 BC37 BD15 BD16 BD17 BD18 BD19 BD20 BD23 BD24 BD25 BD26 BD29 BD30 BD31 BD33 BD34 BD35 BD36 BD37 BE20 BE21 BE22 BE23 BE25 BE26 BE27 BE30 BE31 BE32 BF22 BF23 BF24 BF25 BF27 BF28 BF30 BF34 BF35 BF39 BF40 BG22 BG24 BG25 BH22 BH23 BH24 BH26 BH27 BH28 BJ23 BJ24 BJ25 BJ28 BJ29 BJ30 BK22 BK23 BK25 BK27 BK28 BK30 BL22 BL23 BL24 BL25 BL27 BL28 BL30 C22 C23 C24 C27 C28 D12 D13 D17 D18 D23 D25 D26 D34 D35 D39 D40 E14 E15 E19 E20 E22 E23 E25 E26 E27 E28 E32 E33 E37 E38 F12 F13 F17 F18 F22 F23 F24 F25 F27 F28 F29 F30 F34 F35 F39 F40 G14 G15 G19 G20 G22 G24 G25 G26 G27 G29 G30 G32 G33 G37 G38 H12 H13 H22 H23 H24 H26 H27 H28 H29 H30 H39 H40 J10 J11 J15 J16 J18 J19 J20 J21 J23 J24 J25 J26 J28 J29 J30 J31 J33 J34 J35 J36 J41 J42 K12 K13 K15 K16 K17 K18 K20 K21 K22 K23 K25 K26 K27 K28 K30 K31 K32 K33 K35 K36 K37 K39 K40 K43 K44 K48 K49 L10 L11 L15 L17 L18 L19 L20 L22 L23 L24 L25 L27 L32 L34 L37 L41 L42 L45 L46 L50 L51 M15 M16 M17 M19 M20 M21 M22 M24 M25 M26 M27 M29 M30 M31 M34 M35 M37 M43 M44 M48 M49 N16 N17 N21 N22 N23 N24 N26 N27 N28 N29 N31 N33 N34 N36 N37 N45 N46 N50 N51 P12 P13 P15 P16 P18 P19 P20 P21 P23 P24 P25 P26 P28 P29 P30 P31 P35 P36 P39 P40 R10 R11 R15 R16 R20 R21 R22 R23 R25 R26 R27 R28 R30 R31 R32 R33 R35 R36 R37 R41 R42 T15 T17 T18 T19 T20 T22 T23 T24 T25 T27 T28 T29 T30 T32 T33 T34 T37 T39 T40 U15 U16 U17 U19 U20 U22 U23 U26 U32 U34 U35 U36 U37 U41 U42 V12 V13 V15 V16 V17 V18 V19 V32 V33 V34 V35 V37 V39 V40 W16; U76 1 2 3 4 5 6 7 8; U77 A27 A28 A29 A30 AC10 AC11 AC41 AC42 AE10 AE11 AE41 AE42 AG10 AG11 AG41 AG42 AJ10 AJ11 AJ41 AJ42 AN10 AN11 AN41 AN42 AP12 AP13 AP39 AP40 AR18 AR32 AR33 AR34 AR35 AR36 AR37 AT18 AT19 AT20 AT32 AT33 AT34 AT35 AT37 AU10 AU11 AU15 AU17 AU19 AU20 AU21 AU22 AU32 AU34 AU35 AU36 AU37 AU41 AU42 AV12 AV13 AV16 AV17 AV18 AV19 AV21 AV22 AV23 AV24 AV26 AV27 AV32 AV33 AV34 AV36 AV37 AV39 AV40 AW15 AW16 AW18 AW19 AW20 AW21 AW23 AW24 AW25 AW26 AW28 AW30 AW33 AW34 AW35 AW36 AY15 AY16 AY17 AY18 AY20 AY21 AY22 AY23 AY25 AY26 AY27 AY28 AY32 AY33 AY35 AY36 AY37 B22 B27 B30 BA10 BA11 BA15 BA17 BA18 BA19 BA20 BA22 BA23 BA24 BA25 BA27 BA32 BA33 BA34 BA35 BA37 BA41 BA42 BB12 BB13 BB15 BB17 BB19 BB20 BB21 BB22 BB24 BB25 BB26 BB27 BB29 BB30 BB31 BB32 BB34 BB35 BB36 BB37 BB39 BB40 BC17 BC18 BC19 BC21 BC22 BC23 BC24 BC26 BC27 BC28 BC29 BC31 BC32 BC33 BC34 BC36 BC37 BC41 BC42 BD15 BD16 BD17 BD18 BD19 BD20 BD23 BD24 BD25 BD26 BD29 BD30 BD31 BD33 BD34 BD35 BD36 BD37 BE20 BE21 BE22 BE23 BE25 BE26 BE27 BE30 BE31 BE32 BF22 BF23 BF24 BF25 BF27 BF28 BF30 BF34 BF35 BF39 BF40 BG22 BG24 BG25 BH22 BH23 BH24 BH26 BH27 BH28 BJ14 BJ15 BJ19 BJ20 BJ23 BJ24 BJ25 BJ26 BJ28 BJ29 BJ30 BJ32 BJ33 BJ37 BJ38 BK22 BK23 BK25 BK26 BK27 BK28 BK30 BL22 BL23 BL24 BL25 C22 C23 C24 C27 C28 D12 D13 D17 D18 D23 D25 D26 D34 D35 D39 D40 E14 E15 E19 E20 E22 E23 E25 E26 E27 E28 E32 E33 E37 E38 F12 F13 F17 F18 F22 F23 F24 F25 F27 F28 F29 F30 F34 F35 F39 F40 G14 G15 G19 G20 G22 G24 G25 G26 G27 G29 G30 G32 G33 G37 G38 H12 H13 H22 H23 H24 H26 H27 H28 H29 H30 H39 H40 J10 J11 J15 J16 J18 J19 J20 J21 J23 J24 J25 J26 J28 J29 J30 J31 J33 J34 J35 J36 J41 J42 K3 K4 K8 K9 K12 K13 K15 K16 K17 K18 K20 K21 K22 K23 K25 K26 K27 K28 K30 K31 K32 K33 K35 K36 K37 K39 K40 K43 K44 K48 K49 L1 L2 L6 L7 L10 L11 L15 L17 L18 L19 L20 L22 L23 L24 L25 L27 L32 L34 L37 L41 L42 L45 L46 L50 L51 M3 M4 M8 M9 M15 M16 M17 M19 M20 M21 M22 M24 M25 M26 M27 M29 M30 M31 M34 M35 M37 M43 M44 M48 M49 N1 N2 N6 N7 N16 N17 N21 N22 N23 N24 N26 N27 N28 N29 N31 N33 N34 N36 N37 N45 N46 N50 N51 P12 P13 P15 P16 P18 P19 P20 P21 P23 P24 P25 P26 P28 P29 P30 P31 P35 P36 P39 P40 R10 R11 R15 R16 R20 R21 R22 R23 R25 R26 R27 R28 R30 R31 R32 R33 R35 R36 R37 R41 R42 T12 T13 T15 T17 T18 T19 T20 T22 T23 T24 T25 T27 T28 T29 T30 T32 T33 T34 T37 T39 T40 U10 U11 U15 U16 U17 U19 U20 U22 U23 U26 U32 U34 U35 U36 U37 U41 U42 V12 V13 V15 V16 V17 V18 V19 V32 V33 V34 V35 V37 V39 V40 W16; U79 1 2 3 4 5 6 7 8; U82 2 3 4 8; U83 1; U84 15 16; U85 3 4 5 6 11 12 13 14; U86 5 11 14 15 20 21 25 39 47 48 55 56; U87 5 11 20 21 25 39 47 48 55 56; U88 1 10 14 19 20; U89 5 11 14 15 20 21 25 39 47 48 55 56 61 62; U90 5 11 14 15 20 21 25 39 47 48 55 56; U91 1 2 5 11 25 39 47 48; U94 6; U95 6; U96 1 9 10 14 15 16 17 18; U97 1 9 10 14 15 16 17 18; U98 1 9 10 14 15 18; U99 1 9 10 14 15 16 17 18 20 21; U100 1 9 10 14 15 18; U101 1 9 10 14 15 16 17 18 20 21; U102 19 20; U103 1 9 10 14 15 16 17 18; U104 1 9 10 14 15 16 17 18; U105 8 12; U106 12; U107 12; U108 8 12; U109 12; U117 12; U118 8 12; U122 6

## Via types
v1: diameter 0.406, hole 0.203, TOP to BOTTOM, 8258 vias

## Routing (per net, layer and track width the routed paths; a pad name or vN(x,y) marks a point on that pad's centre or on a via; arc(x,y) is an arc through that point)
12V_INPUT: length 124.9
  TOP w0.165: 169.55,184.45 R145.2
  TOP w0.254: 173.93,183.12 J10.1 ; J10.1 175.81,183.92 ; J10.1 174.19,183.92 ; J10.1 175,182.05 ; J10.1 175.81,182.31 ; J10.1 176.07,183.12 ; J10.1 174.19,182.31 ; J10.1 175,184.18 ; J10.2 175.81,180.11 ; J10.2 174.19,178.5 ; J10.2 175,178.24 ; J10.2 176.07,179.31 ; J10.2 175.81,178.5 ; J10.2 175,180.37 ; J10.2 173.93,179.31 ; J10.2 174.19,180.11 ; 168.63,184.01 R145.2
  TOP w0.38: v1(171,183.9) 170.89,184.01 R145.2 169.55,183.35 170,182.9 v1(171,182.9) ; v1(171,184.9) 170,184.9 169.55,184.45 v1(169.55,185.85)
  PWR4 w0.254: 172.07,196.32 P1.P1-5 ; P1.P1-5 172.07,198.28 ; P1.P1-5 171.33,198.04 ; P1.P1-5 172.81,196.56 ; P1.P1-5 171.33,196.56 ; P1.P1-5 171.09,197.3 ; P1.P1-5 172.81,198.04 ; P1.P1-5 173.05,197.3 ; 173.83,198.04 P1.P1-3 ; P1.P1-3 174.57,198.28 ; P1.P1-3 173.59,197.3 ; P1.P1-3 174.57,196.32 ; P1.P1-3 175.31,198.04 ; P1.P1-3 175.55,197.3 ; P1.P1-3 175.31,196.56 ; P1.P1-3 173.83,196.56 ; P1.P1-9 167.81,196.56 ; P1.P1-9 166.33,198.04 ; P1.P1-9 166.33,196.56 ; P1.P1-9 167.07,198.28 ; P1.P1-9 167.81,198.04 ; P1.P1-9 167.07,196.32 ; P1.P1-9 166.09,197.3 ; P1.P1-9 168.05,197.3 ; J10.1 175.81,182.31 ; J10.1 175,182.05 ; J10.1 174.19,183.92 ; J10.1 175.81,183.92 ; J10.1 174.19,182.31 ; J10.1 175,184.18 ; J10.1 176.07,183.12 ; J10.1 173.93,183.12 ; 169.15,199.34 P1.P1-8 ; P1.P1-8 168.83,201.04 ; P1.P1-8 168.59,200.3 ; P1.P1-8 170.55,200.3 ; P1.P1-8 168.83,199.56 ; P1.P1-8 170.31,199.56 ; P1.P1-8 169.57,199.32 ; P1.P1-8 170.31,201.04 ; P1.P1-6 172.81,199.56 ; P1.P1-6 171.33,201.04 ; P1.P1-6 171.65,199.34 ; P1.P1-6 171.33,199.56 ; P1.P1-6 172.81,201.04 ; P1.P1-6 173.05,200.3 ; P1.P1-6 171.09,200.3 ; P1.P1-6 172.07,199.32 ; 174.19,178.5 J10.2 ; J10.2 175,180.37 ; J10.2 176.07,179.31 ; J10.2 174.19,180.11 ; J10.2 173.93,179.31 ; J10.2 175.81,178.5 ; J10.2 175,178.24 ; J10.2 175.81,180.11 ; 166.33,199.56 P1.P1-10 ; P1.P1-10 167.81,199.56 ; P1.P1-10 166.33,201.04 ; P1.P1-10 166.09,200.3 ; P1.P1-10 168.05,200.3 ; P1.P1-10 167.07,199.32 ; P1.P1-10 167.81,201.04 ; P1.P1-10 166.65,199.34 ; P1.P1-1 178.05,197.3 ; P1.P1-1 176.33,198.04 ; P1.P1-1 176.33,196.56 ; P1.P1-1 177.07,198.28 ; P1.P1-1 177.81,196.56 ; P1.P1-1 176.09,197.3 ; P1.P1-1 177.07,196.32 ; P1.P1-1 177.81,198.04 ; P1.P1-4 175.31,201.04 ; P1.P1-4 175.31,199.56 ; P1.P1-4 174.15,199.34 ; P1.P1-4 173.83,201.04 ; P1.P1-4 173.59,200.3 ; P1.P1-4 173.83,199.56 ; P1.P1-4 174.57,199.32 ; P1.P1-4 175.55,200.3 ; 176.09,200.3 P1.P1-2 ; P1.P1-2 177.07,199.32 ; P1.P1-2 176.33,199.56 ; P1.P1-2 176.33,201.04 ; P1.P1-2 177.81,199.56 ; P1.P1-2 176.65,199.34 ; P1.P1-2 178.05,200.3 ; P1.P1-2 177.81,201.04 ; 168.83,198.04 P1.P1-7 ; P1.P1-7 170.31,198.04 ; P1.P1-7 170.31,196.56 ; P1.P1-7 168.59,197.3 ; P1.P1-7 170.55,197.3 ; P1.P1-7 169.57,196.32 ; P1.P1-7 169.57,198.28 ; P1.P1-7 168.83,196.56
  vias: v1(169.5,188.9) v1(169.5,187.9) v1(169.5,186.9) v1(171,188.9) v1(171,187.9) v1(171,186.9) v1(171,185.9) v1(172.5,188.9) v1(172.5,187.9) v1(172.5,186.9) v1(172.5,185.9) v1(172.5,184.9) v1(174,188.9) v1(174,187.9) v1(174,186.9) v1(174,185.9) v1(174,184.9) v1(175.5,188.9) v1(175.5,187.9) v1(175.5,186.9) v1(175.5,185.9) v1(175.5,184.9) v1(177,188.9) v1(177,187.9) v1(177,186.9) v1(177,185.9) v1(177,184.9)